# KiCad board trifecta.kicad_pcb (continued)
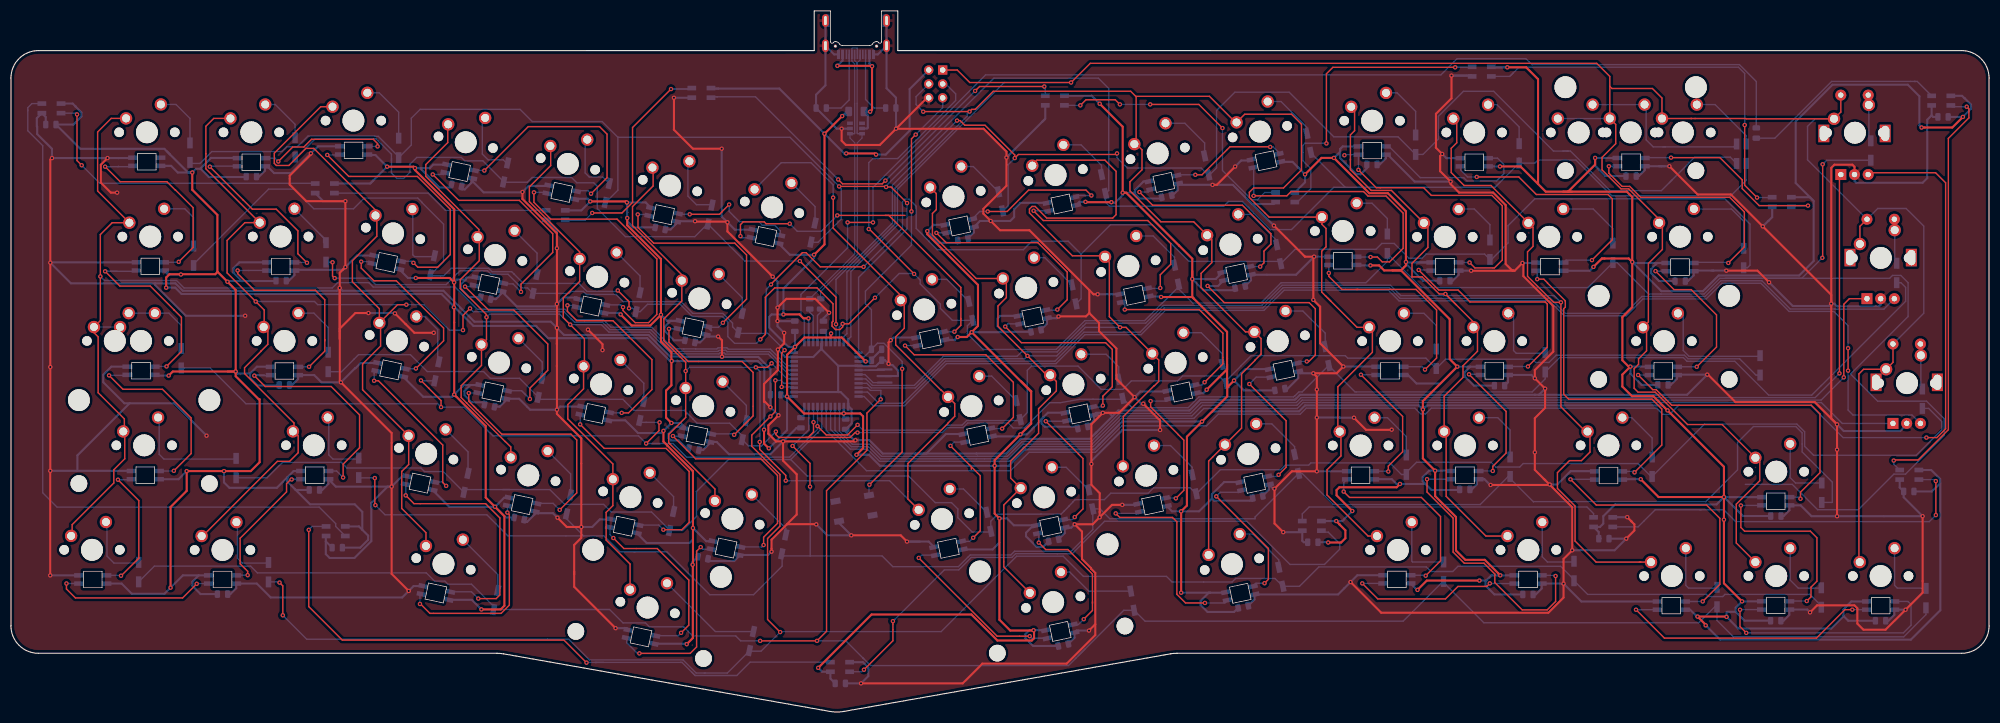
[diagram p0: board, top side]
## Routing (per net, layer and track width the routed paths; a pad name or vN(x,y) marks a point on that pad's centre or on a via; arc(x,y) is an arc through that point) (continued)
Net-(ULED6-Pad2): length 133.4
  Bottom w0.25: 3.07,109.77 3.07,106.13 5.8,103.4 5.8,40.03 8.41,37.41 56.25,37.41 59.26,34.4 59.26,33.89 ULED6.2 ; 3.07,109.77 3.07,110.03 ; 3.07,109.77 3.07,110.33 3.82,111.09 ULED7.4
Net-(ULED7-Pad2): length 56.6
  Top w0.25: v1(12.06,109.1) 12.05,109.09 12.05,100.68 v1(12.91,99.83)
  Bottom w0.25: 55.38,96.57 55.34,96.53 16.2,96.53 v1(12.91,99.83) ; 12.01,109.04 v1(12.06,109.1) 11.83,109.34 ULED7.2
Net-(ULED8-Pad2): length 39.9
  Bottom w0.25: ULED8.2 76.14,94.74 79.28,91.6 ULED9.4
Net-(ULED10-Pad2): length 77
  Top w0.25: v1(150.97,97.23) 151.77,96.43 158.99,96.43 v1(159.58,97.02) ; v1(188.58,114.2) 176.76,114.2 v1(175.96,113.39)
  Bottom w0.25: 128.94,112.32 135.88,112.32 v1(150.97,97.23) ; 128.94,112.32 128.66,112.32 ; 128.94,112.32 127.91,112.32 ULED10.2 ; ULED11.4 188.76,114.02 v1(188.58,114.2) ; 188.58,112.37 188.63,112.32 ; v1(175.96,113.39) v1(159.58,97.02)
Net-(ULED10-Pad4): length 44.3
  Top w0.25: v1(120.45,113.74) 113.44,106.72 113.44,93.05 111.5,91.11 v1(106.08,91.11)
  Bottom w0.25: v1(106.08,91.11) 104.77,89.81 101.2,89.81 ULED9.2 ; ULED10.4 124.08,113.74 v1(120.45,113.74) 123.57,113.74 123.66,113.82
Net-(ULED11-Pad2): length 51.6
  Top w0.25: v1(221.1,106.61) 216.78,110.93 207.91,110.93 v1(207.9,110.94) ; v1(195.16,110.76) 196.18,111.78 201.53,111.78 v1(202.37,110.94)
  Bottom w0.25: ULED12.4 228.81,94.85 227.47,93.51 226.44,93.51 221.1,98.86 v1(221.1,106.61) ; ULED11.2 v1(195.16,110.76) ; v1(207.9,110.94) v1(202.37,110.94)
Net-(ULED12-Pad2): length 58.9
  Top w0.25: v1(240.07,103.81) 240.07,116.53 241.24,117.7 v1(263.56,117.7)
  Bottom w0.25: v1(240.07,103.81) 240.03,103.85 236.16,103.85 235.75,103.44 235.75,102.27 235.78,102.24 235.78,100.64 237.23,99.19 237.23,95.58 234.74,93.1 ULED12.2 ; 265.69,117.71 263.57,117.71 v1(263.56,117.7) 266.57,117.7 ULED13.4
Net-(ULED13-Pad2): length 73.8
  Top w0.25: v1(316.4,107.17) 316.4,96.18 v1(318.66,93.92)
  Bottom w0.25: v1(318.66,93.92) 320.65,93.92 320.71,93.98 ; 274.16,116.68 275.2,117.73 315.27,117.73 316.4,116.6 v1(316.4,107.17) ; 274.16,116.68 273.52,116.05 ULED13.2 ; 274.16,116.68 273.68,116.21

## Copper pours and planes (outline as drawn; the poured copper is in the pictures)
GND on Top: 371.54,-12.26 151.22,-12.26 -3.53,2.67 -3.53,135.12 371.54,135.12
GND on Bottom: 153.27,63.93 163.47,63.93 163.47,58.43 153.27,58.33
GND on Bottom: 146.67,121.43 146.57,109.23 161.67,109.33 161.47,121.43
GND on Bottom: 370.96,136.94 370.96,-11.25 160.98,-12.73 -3.73,1.55 -3.73,135.21 -3.73,137.91
GND on Bottom: 142.09,68.3 142.09,54.93 155.49,54.93 155.47,68.3
(no net) on Top: 371.05,-12.18 147.44,-12.18 -3.06,1.41 -3.06,132.66 -3.6,135.22 371.05,137.04
(no net) on Bottom: 371.47,137.54 371.18,-11.34 158.2,-11.93 -3.38,2 -3.07,136 -3.24,138.95

## Text on the board
B.SilkS: Keep Away From Orange Snacks. | Designed by Swiftrax and 2Moons
